# KiCad board Rogelio Pineda part 8-AMLDC-2044B.kicad_pcb (continued)
## Routing (per net, layer and track width the routed paths; a pad name or vN(x,y) marks a point on that pad's centre or on a via; arc(x,y) is an arc through that point) (continued)
C2p4: length 41.2
  Top w0.15: 230.1,381.29 230.04,381.23 v1(230.04,381.32) 230.13,381.32 230.47,382.47 230.94,384.24 231.06,384.62 UC3.13
  Bottom w0.2: v1(230.04,381.32) 229.47,381.23 229.21,381.25 ; 229.27,381.25 228.58,381.32 228.03,381.19 224.59,380.87 222.48,380.52 221.97,380.42 221.61,380.35 219.32,380.03 217.02,379.8 212.82,379.83 212.4,380.15 210.82,380.21 209.58,380.29 205.8,380.58 204.81,380.55 202.29,380.56 201.3,380.53 198.45,380.12 197.5,379.63 196.74,378.8 UC2.4
C2p5: length 390.6
  Top w0.15: v1(363.07,328.79) 363.14,330.04 362.97,332.1 362.79,334.87 362.69,336.03 362.69,337.49 362.65,341.81 362.74,343.64 362.74,347.54 362.73,348.94 362.69,353.53 362.76,354.67 362.92,358.73 363.01,360.19 363.3,363.81 363.47,365.8 363.7,369.19 363.81,369.87 364.03,372 364.2,373.14 364.32,374.45 364.73,378.26 364.96,380.85 365.01,385.3 364.95,386.45 364.87,387.21 364.49,390.59 v1(364.33,391.06) ; v1(217.43,334.88) 217.43,336.52 217.21,337.59 217.04,360.51 217.13,360.6 217.25,366.28 217.25,368.95 217.59,371.81 217.87,373.02 218.04,373.86 218.21,375.97 v1(217.15,378.49)
  Bottom w0.15: v1(364.33,391.06) 365.58,392.38 367.74,393.42 369.98,393.69 371.22,393.92 372.58,394.01 375.42,394.21 376.55,394.23 386.04,394.4 ; UC8.4 424.7,374.47 425.38,373.24 426.4,372.52 428.23,372.34 428.66,372.37 429.68,372.41 430.55,372.44 432.45,372.46 432.95,372.5 435.43,373.06 435.96,373.28 436.79,373.73 437.49,374.27 438.03,375.34 438.53,376.65 438.93,379.4 439.02,381.15 439.29,388.12 439.36,390.69 439.1,391.82 438.13,393.3 436.7,394.38 435.08,394.81 433.29,394.87 ; 386.04,394.4 386.73,394.42 387.59,394.36 387.59,394.35 ; 386.04,394.4 386.16,394.4 ; 433.29,394.87 431.03,394.87 429.52,394.93 428.36,395.01 427.71,395.03 427.11,395.04 415.4,395.28 414.31,395.32 412.07,395.31 409.92,395.11 408.29,394.52 406.53,393.79 404.82,393.35 402.17,393.35 401.57,393.48 398.6,393.75 397.3,393.86 395.43,393.91 394.05,394.07 392.98,394.19 390.87,394.32 390.02,394.35 387.59,394.35 ; 433.29,394.87 433.35,394.87 ; UF6.12 348.61,327.95 348.67,327.6 348.7,327.04 ; 387.59,394.35 387.57,392.51 UB7.4 ; v1(363.07,328.79) 362.58,328.54 361.65,328 361.25,327.87 360.63,327.57 359.15,327.08 356.83,327.11 355.88,327.09 355.56,327.04 354.04,327.04 353.43,327.02 352.26,327.04 348.7,327.04 ; 348.7,327.04 348.2,327.04 347.39,327.02 345.95,327.14 344.65,327.21 342.1,327.3 340.06,328.05 338.33,328.59 337.36,328.89 334.52,329.47 333.48,329.41 332.62,329.22 331.95,329.15 331.16,329 330.42,328.81 329.41,328.63 328.85,328.44 327.76,328.23 324.83,327.54 323.29,327.34 321.72,327.11 320.23,326.92 317.68,326.91 316.86,326.98 314.98,327.01 309.32,327.15 307.96,327.22 307.05,327.22 306.3,327.18 304.61,327.24 298.05,327.14 297.14,327.12 295.36,327.04
  Bottom w0.2: 243.27,335.57 241.26,335.93 239.86,336.16 233.47,336.19 231.83,336.12 230.11,336.13 223.14,335.99 222.22,335.95 220.34,335.59 218.91,335.32 v1(217.43,334.88) ; 243.27,335.57 243.29,335.55 ; 243.27,335.57 245.05,335.09 248.08,334.06 251.83,332.54 255.14,329.92 257.42,328.29 259.39,327.63 267.4,327.64 271.38,327.02 275.12,326.57 276.54,326.48 282.06,326.35 282.28,326.33 283.32,326.37 286.71,326.54 288.14,326.96 293.39,327.12 295.36,327.04 ; v1(217.15,378.49) 215.61,378.74 ; UC2.5 199.06,378.42 199.49,378.89 199.7,379.16 200.36,379.47 203.59,379.63 205.97,379.59 211.24,379.16 212.98,378.92 215.83,378.74
C2p6: length 8.5
  Top w0.15: C15.2 206.91,374.29 206.27,374.39 203.96,374.77 202.22,375.65 201.61,376.17 201.14,376.64 UC2.6
C2p7: length 6.2
  Bottom w0.2: R13.2 200,373.77 C15.1 202.67,374.6 203.4,375.65 203.5,375.86 203.68,376.31 UC2.7
C2p10: length 134.6
  Top w0.15: UE2.12 193.4,351.62 193.78,351.99 193.32,353.42 192.76,355.23 192.01,356.91 191.99,358.58 192.37,361.07 192.35,363.07 192.39,363.63 v1(192.39,371.44) 192.44,371.53 ; v1(215.08,369.51) 215.72,370.36 216.29,371.53 216.74,372.76 216.89,373.16 217.09,374.27 217.04,375.64 216.81,376.09 216.25,376.99 215.95,377.53 215.41,378.14 215.19,378.44 214.92,378.63 214.58,379.15 214.4,379.44 214.14,379.79 213.9,379.99 213.9,383.29 214.17,383.98 214.53,384.62 215.04,385.15 215.48,385.53 216.31,385.96 v1(217.59,386.35) 217.61,387.16 217.53,388.8 217.54,390.31 R30.1
  Bottom w0.2: UB4.2 264.08,393.56 262.4,395.23 261.83,395.3 255.23,395.36 224.94,395.37 223.54,395.23 221.7,394.62 220.79,394.15 219.98,393.63 219.23,392.83 R30.1 ; v1(192.39,371.44) 193.2,371.33 193.37,371.28 193.84,371.13 194.39,370.95 197.46,370.82 198.26,370.85 199.11,370.94 203.92,370.86 205.29,370.71 206.43,370.65 207.13,370.55 211,370.11 214.46,369.85 v1(215.08,369.51) ; v1(217.59,386.35) 217.48,386.35 216.51,386.3 215.94,386.1 214.76,385.89 211.04,385.33 209.67,385.34 207.92,386.57 207.12,387.12 206.45,387.16 206.04,387.19 205.78,387.21 205.1,386.94 204.24,386.2 203.68,385.83 UC2.10
C2p12: length 129.5
  Top w0.15: v1(221.98,289.43) 221.28,290.84 221.23,309.86 221.25,323.03 221.04,333.09 220.91,337.05 220.82,338.02 220.73,341.78 221.14,343.89 220.94,345.44 220.49,346.29 ; 220.53,346.2 219.16,349.28 218.92,350.87 218.47,354.89 218.35,356.91 218.35,357.79 218.4,363.61 218.52,364.83 218.55,366.84 218.76,368.17 218.85,370.99 219.12,372.22 219.44,377.13 218.29,382.79 218.37,384.05 219.41,386.13 v1(219.91,387.23)
  Bottom w0.2: 218.91,388.12 219.91,387.51 v1(219.91,387.23) ; UC2.12 199.66,386.61 201.29,387.33 202.94,387.29 204.5,387.57 205.76,387.99 206.31,388.22 207.01,388.24 208.25,388.13 209.7,387.47 210.65,387.3 211.77,387.27 213.81,387.76 215.75,388.33 217.88,388.57 218.96,388.11 ; UH3.1 226.09,289.68 225.14,289.62 223.83,289.51 223.23,289.43 v1(221.98,289.43)
C2p13: length 12.3
  Top w0.15: UC2.13 196.06,384.68 197.42,383.33 198.21,383.01 199.05,382.94 200.12,382.81 202.08,382.85 204.42,382.92 205.1,383.15 205.82,383.92 UC2.9
C2p14: length 6.2
  Top w0.15: C29.2 196.15,388.88 194.55,387.58 194.09,387.06 193.52,386.11 UC2.14
C3p5: length 335.3
  Top w0.15: 190.12,119.11 v1(190.12,119.21) 190.12,119.57 189.77,119.91 189.55,121.19 189.19,122.82 189.1,124.01 189.05,124.38 188.81,126.58 US2.1 US2.2 ; v1(218.83,343.25) 219.17,341.45 219.6,338.54 219.94,315.43 219.88,312.89 219.91,310.72 219.64,304.74 219.53,303.53 219.16,299.72 219.02,298.73 218.83,296.37 v1(218.87,296.33) 219.38,294.94 219.72,292.96 219.67,279.69 219.3,272.94 218.91,266.73 218.86,265.84 218.4,256.44 218.07,252.69 217.44,243.43 216.95,238.17 216.49,231.6 215.92,228.33 215.04,224.5 214.81,222.57 214.91,208.33 214.95,207.31 215.01,203.9 214.87,202.18 215.05,199.58 215.31,196.27 215.51,194.46 215.5,191.72 ; UG3.2 231.35,306.38 231.6,306.13 231.55,306.09 UH3.13 ; 217.92,125.2 217.84,125.29 v1(217.84,125.4) 217.72,125.4 217.36,125.76 217.48,128.43 216.82,139.56 216.75,142.43 216.64,145.09 215.58,157.23 215.39,159.15 215.23,162.42 214.57,168.86 214.37,173.82 214.44,175.65 214.49,177.58 214.77,183.42 214.92,186.19 215.53,191.98 ; UC3.5 239.21,377.48 239.68,376.59 240.1,374.36 240.19,372.38 240.19,369.8 240.21,369.77 240,368.47 238.51,366.54 236.14,365.51 235.21,364.44 235,355.99 234.67,354.69 234.35,353.13 234.18,352.22 233.99,351.57 UE3.12
  Bottom w0.15: v1(217.84,125.4) 216.9,125.4 215.85,124.54 215.05,123.92 212.6,122.23 210.78,121.26 208.82,120.24 206.23,119.62 205.11,119.4 203.07,119.12 199.6,119.15 198.23,119.12 190.99,119.26 ; v1(218.87,296.33) 218.87,296.35 219.65,297.33 220.31,298.19 220.77,298.65 221.15,298.89 221.19,298.93 222,299.5 223.24,299.8 225.55,299.92 227.64,300 228.55,300.09 229.24,300.08 230.4,299.74 230.93,299.3 231.36,298.61 231.55,298.37 UH3.13 ; v1(218.83,343.25) 219.84,343.81 220.11,344.07 222.07,345.11 224.58,345.98 226.6,346.48 230.48,347.21 232.03,348.01 232.85,348.79 233.44,349.28 UE3.12 ; v1(190.12,119.21) 190.24,119.21 190.97,119.26
C3p9: length 13.8
  Top w0.15: UC3.2 231.9,380.2 232.21,381.01 233.39,382.32 235.66,382.94 238.92,383.56 240.29,384.24 240.94,385.17 UC3.9
C4p1: length 501.5
  Top w0.15: UC4.1 261.53,376.51 262.39,377.45 262.67,379.43 262.89,380.1 262.91,381.51 262.98,382.27 v1(262.81,387.08) 262.81,387.14 262.85,387.18 ; v1(182.91,335.42) 182.38,336.37 182.29,338.14 182.35,339.7 182.32,341 182.03,349.96 181.97,352.79 181.79,359.52 181.98,365.11 182.21,365.48 182.23,365.71 v1(182.27,366.28) ; 321.95,88.8 321.91,88.76 v1(321.91,88.85) 322,88.85 322.04,88.89 322.27,101.52 322.29,103.56 322.4,106.23 322.65,117.9 322.73,117.98 322.73,119.77 322.87,132.44 322.79,138.01 322.74,143.12 323.11,144.45 323.19,145.27 323.59,147.31 324.24,150.32 324.19,153.55 324.18,154.41 324.66,158.92 325.41,161.41 326.18,166.29 326.6,167.86 327.14,171.34 327.49,173.96 327.57,187.53 327.57,188.14 327.56,189.11 327.7,199.08 327.65,200.47 327.72,210.63 327.64,217.87 327.72,221.83 327.65,222.61 327.65,232.07 327.69,234.98 327.78,239.91 327.62,245.2 327.65,249.91 327.73,253.04 327.43,257.16 325.94,277.03 325.68,282.77 325.64,283.24 325.41,289.69 325.28,292.3 324.63,312.7 323.97,324.25 323.4,339.75 323.2,348.49 323.13,387.53 322.82,389.86 v1(322.65,391.33)
  Bottom w0.15: UB5.6 312.63,391.29 313.05,390.58 313.24,390.3 313.89,389.89 314.79,389.53 315.66,389.54 316.23,389.63 317.16,389.8 319.42,390.29 319.93,390.46 320.8,390.73 321.56,390.93 322.03,391.04 v1(322.65,391.33)
  Bottom w0.2: v1(182.91,335.42) 183.43,335.1 184.7,334.58 186.21,334.31 186.98,334.2 188.51,334.23 189.58,333.9 190.29,333.44 190.98,332.74 UF2.13 ; 305.66,389.77 305.63,389.8 305.27,389.8 ; 217.84,369.12 219.89,371.95 221.46,373.49 222.89,374.25 227.93,374.85 229.41,375 231.55,375.12 248.33,375.18 249.39,375.22 250.82,375.3 256.17,375.68 257.35,375.86 260.51,376.32 UC4.1 ; 305.27,389.8 307.01,389.89 309.61,390.39 310.55,390.67 310.64,390.75 311.47,391.12 UB5.6 ; 305.27,389.8 303.55,389.56 302.31,389.37 299.44,389.08 298.29,388.64 296.29,388.21 294.7,387.63 293.33,387.23 291.82,387.24 285.68,387.36 264.03,387.36 263.16,387.08 v1(262.81,387.08) ; v1(182.27,366.28) 183.42,366.09 185.06,365.82 186.13,365.67 188.65,365.43 192.81,365.58 197.05,366.4 200.2,366.45 211.03,366.6 213.2,366.82 215.08,367.16 217.23,368.27 217.89,369.2
C4p3: length 19.4
  Top w0.15: UD4.2 264.47,361.47 264.89,362.57 265.22,364.98 265.35,365.72 265.47,368.15 265.39,368.23 265.39,370.58 265.35,371.21 265.39,373.21 265.98,374.3 UC4.3
  Bottom w0.15: UC4.3 UC4.4
C4p6: length 241
  Top w0.15: 286.75,288 286.31,277.31 286.24,275.66 286.43,273.37 286.76,263.36 287.36,256.67 287.62,254.45 v1(287.75,253.81) ; UL6.2 345.91,221.64 346.47,223.27 346.75,223.91 346.99,224.87 347.17,225.29 347.44,226.04 347.82,226.85 347.84,227.93 UL6.12 348.06,229.41 348.23,230.07 348.25,230.76 348.43,231.57 348.48,232.51 348.62,233.82 348.65,234.13 348.69,234.59 348.84,235.57 348.97,236.46 349.08,237.3 349.19,237.66 349.3,238.24 349.33,239.19 349.44,240.27 349.35,240.99 349.52,241.16 ; 349.52,241.16 349.57,241.21 v1(349.52,241.21) 349.52,241.16 ; 354.5,224.46 353.99,224.64 348.37,224.82 347.91,224.78 346.95,224.73 ; 354.5,224.46 354.35,224.06 354.16,223.49 353.84,222.84 353.61,222.04 353.41,221.83 353.26,221.36 UL6.5 ; 354.5,224.46 354.7,225.03 354.91,225.65 354.96,225.97 355.09,226.36 355.36,227 355.45,227.33 UL6.9 ; v1(287.7,373.62) 286.38,370.65 285.79,369.07 285.1,366.66 284.87,354.84 284.82,353.5 284.82,344.19 284.93,343.89 285.14,341.76 286.43,336.44 287.16,333.02 ; 286.74,287.81 287.59,290.07 287.97,291.65 288.38,318.95 288.53,322.61 288.37,328.05 288.16,328.9 287.92,329.49 287.96,329.49 287.5,331.48 287.17,332.92
  Bottom w0.15: v1(349.52,241.21) 349.52,241.08 348.22,239.94 347.43,239.66 345.83,239.79 344.85,239.9 344.51,240.1 343.28,240.47 342.36,240.74 342,240.79 340.76,240.89 339.76,240.86 339.12,240.76 338.16,240.53 336.4,240.35 334.78,240.47 333.36,240.79 331.31,241.66 330.2,242.14 328.26,243.15 327.11,243.72 325.48,244.76 324.48,245.35 322.71,246.28 321.12,247.05 319.45,248.04 318.69,248.7 317.87,249.42 317.25,250.31 316.73,251.15 316.12,251.84 315.92,252.21 315.25,253.02 314.64,253.67 313.64,254.37 311.87,254.97 300.76,254.97 300.72,254.93 298.64,254.93 297.37,254.9 295.36,254.66 ; 295.36,254.66 294.52,254.55 292.06,254.39 290.89,254.32 290.34,254.26 289.79,254.19 288.89,254.02 288.33,253.88 v1(287.75,253.81) ; 295.36,254.66 295.66,254.7 ; v1(287.7,373.62) 287.63,373.62 287.18,374.07 286.84,374.18 286.08,374.14 282.75,374.18 279.14,374.02 277.42,374.05 275.59,374.05 274.64,374.71 UC4.6
C4p8: length 31.2
  Bottom w0.15: UC4.8 276.93,383.69 278.11,383.96 280.25,383.86 281.88,383.8 283.51,383.81 287.12,383.49 289.3,383.21 292.21,382.68 293.94,382.28 295.25,382.05 296.3,381.93 297.35,381.89 298.4,381.84 301.33,381.84 302.08,381.94 303.09,382.18 UC5.12 304.76,384.15 304.76,384.19 305.47,384.19 UC5.11
C4p11: length 4.6
  Bottom w0.15: UC4.11 269.15,384.29 269.48,384.63 269.59,384.83 270.65,384.84 271.71,384.89 UC4.10
C4p13: length 365.6
  Top w0.15: UC4.13 264.15,382.8 264.17,379.8 UC4.2 ; v1(325.08,379.84) 325.08,377.59 325.13,377.55 324.92,353.63 324.9,350.84 324.83,342.97 324.77,338.71 325.04,328.82 325.18,326.62 325.36,324.82 325.67,316 325.93,310.38 326.43,296.76 326.56,295.31 326.75,290.89 326.93,288.4 327.34,279.21 327.61,275.46 327.83,270 327.93,268.82 328.2,263.97 328.58,256.01 328.81,253.12 328.84,244.1 328.77,241.55 328.77,232.8 328.69,223.91 328.69,203.85 328.64,203.81 328.74,187.88 328.73,186.65 328.63,181.67 328.77,174.69 328.36,171.65 327.7,168.28 326.93,164.14 326.37,162.28 325.99,159.57 325.49,157.71 325.31,154.77 325.13,153.19 325.08,151 325.18,149.71 324.95,148.18 324.43,145.98 324.58,137.42 324.31,119.77 324.2,101.83 324.11,99.44 324.17,98.09 324.13,85.99 324.13,85.57 v1(324.31,85.39) 324.43,85.27 ; 324.31,119.94 324.44,119.81
  Bottom w0.15: 293.08,380.69 289.43,381.1 274.07,381.27 270.73,381.39 268.95,381.9 267.83,382.86 UC4.12 265.8,384.49 264.87,384.49 UC4.13 ; 293.08,380.69 293.15,380.68 ; 293.08,380.69 296.55,380.52 297.52,380.26 302.92,380.26 322.9,380.03 323.94,380.07 v1(325.08,379.84)
C5p4: length 39.4
  Top w0.15: UD5.10 313.5,369.19 313.02,370.73 310.61,372.24 309.78,372.7 308.26,373.43 307.86,373.81 307.81,373.81 306.87,374.75 306.87,375.16 UC5.4 306.4,376.88 306.42,376.9 305.96,378.19 305.61,379.09 305.16,379.64 305.13,379.7 304.57,379.96 303.68,379.92 302.7,379.21 302.69,374.12 302.83,371.03 302.66,369.7 302.52,365.35 302.32,364.58 302.14,363.26 302,362.89 301.82,361.82 301.55,360.34 UD5.2
C6p9: length 39.5
  Top w0.15: UC7.3 385.61,377.4 385.71,381.97 385.71,382.96 UC7.12
  Bottom w0.15: UC6.9 356.9,382.87 357.74,381.97 358.08,381.47 358.61,381.14 360.05,380.33 361.15,379.87 362.94,379.43 363.81,379.43 364.59,379.54 365.88,379.79 366.4,379.95 367.22,380.15 368.02,380.3 368.82,380.36 375.35,380.22 379.23,380.22 379.25,380.2 380.4,380.2 381.25,380.28 383.02,380.87 384.26,381.78 384.35,381.84 384.45,381.94 384.75,382.23 UC7.12
C6p12: length 207.5
  Top w0.15: v1(372.38,249.78) 372.62,250.02 372.62,260.75 372.6,261.86 372.83,265.58 373.34,266.77 373.95,267.94 374.13,268.28 374.69,270.18 374.67,271.86 374.75,272.98 374.82,276.36 374.78,276.89 374.79,277.34 374.9,297.2 374.77,297.93 374.67,298.32 374.54,298.91 374.26,299.85 374.17,300 373.89,300.6 373.74,301.02 373.25,301.99 372.88,302.98 372.36,304.44 372.4,305.45 372.48,305.72 372.67,307.15 373.12,308.35 373.5,310.31 373.41,311.93 373.09,314.29 372.71,315.22 372.43,317.13 372.42,317.86 372.55,318.62 372.95,319.4 373.79,321.21 373.91,323.09 373.89,323.11 373.96,324.1 373.98,327.1 374.01,327.82 374,328.5 374.26,341.67 374.05,343.34 373.78,346.71 373.07,349.32 373.13,351.06 373.22,351.64 373.57,352.82 374.23,354.98 374.18,363.72 374.08,365.12 373.9,366.29 373.64,366.91 373.06,368.01 372.78,368.5 372.5,369.36 372.32,370.08 372.32,371.23 372.6,372.82 372.64,373.96 372.78,374.67 372.84,376.18 372.81,377.59 372.96,379.9 372.93,380.54 372.86,383.17 372.99,383.31 372.99,388.42 v1(372.92,388.5) ; UL7.12 384.75,229.29 384.72,229.95 UK7.3
  Bottom w0.15: v1(372.92,388.5) 372.1,388.75 370.8,388.43 367.05,387.89 361.5,387.69 354.23,387.84 352.82,387.86 350.49,387.75 349.62,387.29 348.86,384.89 UC6.12 ; 376.13,250.57 375.4,250.48 373.82,250.18 373.09,249.92 v1(372.38,249.78) ; 376.13,250.57 378.39,250.76 379.81,250.77 382.49,251.09 383.26,251.8 383.71,252.15 UK7.3
C6p13: length 128.7
  Top w0.15: v1(406.78,343.86) 407.39,345.09 407.65,346.1 407.88,347.27 407.86,348.07 407.88,349.18 407.85,350.48 407.9,351.05 407.73,353.59 407.38,355.03 407.19,356.61 407.01,357.67 406.85,361.38 407.02,362.94 407.23,364.01 407.36,365.04 407.49,366.15 407.6,370.9 407.55,372.43 407.64,373.94 407.68,377.09 407.68,378.69 407.73,381.93 407.73,383.13 407.7,384.47 407.67,385.07 407.55,388.13 407.39,389.11 407.3,389.32 v1(407.02,389.73)
  Bottom w0.15: UE8.3 421.72,341.15 421.42,341.58 421.08,342.04 420.4,342.65 419.46,343.03 418.75,343.03 418.11,343.08 417.38,343.07 416.73,343.1 415.02,343.15 414.1,343.17 412.02,343.46 410.67,343.63 408.23,343.73 v1(406.78,343.86) ; v1(407.02,389.73) 406.62,389.4 406.36,389.23 405.64,389.14 405.4,389.13 405.02,389.07 403.94,388.94 401.01,388.95 399.17,388.87 397.57,388.74 396.5,388.62 392.03,388.36 390.35,388.33 383.18,388.39 381.61,388.45 381.43,388.45 380.2,388.5 378.17,388.76 376.37,389.7 375.63,390.12 374.88,390.47 374.24,390.78 373.3,390.94 371.97,390.78 368.99,389.92 366.3,389.19 349.98,388.89 348.88,388.37 348.54,388.24 348.12,387.88 347.57,387.23 347.01,385.85 346.83,385.61 346.63,384.87 346.38,383.71 UC6.13
C7p2: length 294.3
  Top w0.15: 371.28,345.83 371.11,344.65 371.01,343.64 371.01,342.97 370.91,340.49 370.78,339.04 370.83,337.68 370.78,337.03 370.78,336.74 370.78,336.27 370.74,335.52 370.73,334.76 370.98,332.59 371.23,330.79 371.28,330.01 371.33,329.11 371.18,327.47 371,326.86 370.79,326.09 370,324.38 369.77,323.39 369.64,322.64 369.47,320.33 369.39,318.15 369.58,315.99 369.88,315.06 370.05,314.09 370.35,313.07 370.46,312.41 370.54,311.95 370.48,310.94 370.49,310.25 370.14,308.71 369.98,307.78 369.81,307.27 369.6,306.46 369.66,306.39 369.66,305.64 369.59,304.16 369.79,302.85 370.08,302.08 370.15,301.62 370.55,300.74 370.83,299.67 370.97,299.16 371.09,298.74 371.3,298.21 371.32,297.76 371.54,296.54 371.74,281.8 371.6,279.98 371.31,279.28 371.18,278.81 370.89,278.13 370.73,277.51 370.57,276.81 370.8,276.11 371.13,275.23 371.56,274.56 371.95,273.68 372.46,272.01 372.4,269.97 371.73,267.88 371.32,266.68 370.88,265.51 370.79,260.71 370.88,256.2 370.84,255.48 370.78,254.92 370.54,253.62 370.45,252.86 370.32,251.4 370.28,250.93 370.34,249.26 371.22,247.69 371.53,247.01 372.27,245.43 372.28,244.52 372.4,242.59 372.33,237.64 372.26,216.3 372.05,214.52 371.88,212.37 371.35,210.42 371.1,207.88 371.04,202.27 370.84,196.93 370.8,195.96 370.73,194.78 370.8,193.39 371.03,192.1 371.2,191.16 371.63,190.03 372.18,188.3 372.9,186.43 372.64,170.74 372.5,169.66 372.32,168.03 372.17,166.32 372,164.98 371.77,156.19 371.68,142.57 371.74,118.26 372.01,117.98 371.98,108.81 371.75,105.38 371.61,104.18 371.26,96.52 371.26,96.52 v1(371.22,96.52) 371.22,96.48 371.19,96.45 ; 371.24,345.26 371.41,346.96 371.63,348.26 372.07,350.13 372.05,350.15 372.2,350.73 372.34,351.73 372.61,352.69 372.97,354.22 373.22,355.87 373.29,361.22 373.25,361.65 373.18,363.66 372.99,365.11 372.62,366.19 372.23,367 371.79,368.25 371.29,369.69 371.25,370.13 370.87,372.29 v1(370.76,373.24)
  Bottom w0.15: v1(370.76,373.24) 371.31,373.52 372.07,373.77 376.33,373.88 376.64,373.86 ; 376.64,373.86 381.18,373.97 381.87,374.08 382.2,374.25 382.69,374.49 382.77,374.64 UC7.2 ; 376.64,373.86 376.82,373.85
C7p11: length 171.3
  Top w0.15: v1(409.32,356.65) 409.58,356.09 409.76,355.53 409.88,354.26 410,352.94 409.93,345.69 409.93,344.85 409.5,343.45 408.92,342.4 408.19,341.61 408.07,341.24 407.58,339.7 407.73,337.25 407.83,336.61 407.88,334.14 407.87,334.13 407.87,328.05 407.98,326.27 407.98,321.71 408.04,321.44 408.15,320.2 408.22,319.65 408.3,318.45 408.66,316.07 408.77,312.54 408.79,310.46 408.49,307.55 408.32,305.86 408.15,303.76 408.04,302.38 407.9,301.12 407.74,299.51 407.65,297.96 407.48,295.43 407.41,294.07 407.3,288.7 407.25,288.65 407.25,285.6 407.3,285.55 407.23,282.81 407.15,281.28 407.09,278.3 407.07,276.86 407.09,276.36 407.07,273.26 407.29,268.01 407.37,266.82 407.41,265.26 407.53,264.37 407.57,263.2 407.57,262.31 407.75,260.97 v1(407.63,259.98) ; UC7.11 388.48,382.45 389.2,381.42 390.08,380.31 390.27,379.92 390.99,378.85 391.59,377.23 391.68,376.52 391.62,373.91 391.5,373.24 391.32,372.33 391.06,371.73 390.49,370.76 389.29,369.19 389.08,367.53 389.08,366.9 389.08,365.52 388.69,364.52 387.7,362.83 387.23,362.21 386.96,361.73 386.43,361.04 385.88,360.36 UD7.3
  Bottom w0.15: UK8.10 UK8.11 UK8.12 421.4,260.12 421.08,259.74 ; 421.08,259.74 421.2,259.86 ; 421.08,259.74 420.59,259.4 420.1,259.01 419.35,258.81 418.51,258.64 418.5,258.65 417.49,258.63 416.48,258.79 414.15,259.35 412.16,260.02 410.59,260.09 409.71,259.94 409.03,259.97 408.39,259.98 408.06,260 v1(407.63,259.98) ; v1(409.32,356.65) 409.2,356.77 408.11,356.59 388.39,356.42 386.75,356.5 385.69,357.03 385.25,357.44 384.92,358.31 UD7.3
C8p8: length 19.6
  Top w0.15: UC8.8 430.73,382.37 430.37,382.02 429.72,381.54 428.32,380.36 427.67,380.07 426.62,379.41 426.3,379.08 426,378.72 425.53,377.91 425.22,377.44 425.07,373.5 424.83,372.51 424.68,371.61 424.36,370.14 424.24,369.44 UD8.11
C8p10: length 20.3
  Top w0.25: UB8.11 426.11,397.38 427.41,395.8 427.93,392.98 428.13,391.95 427.78,388.93 427.48,387.48 427.28,386.45 426.84,382.95
  Bottom w0.2: UC8.10 UC8.9
C47p1: length 7.9
  Bottom w0.15: C47.1 R43.2 401.55,267.5 CR2.2
CLR: length 71.3
  Top w0.15: v1(82.28,315.8) 83.43,318.68 84.7,320.88 85.82,323.83 87.25,326.37 88.05,328.12 89.85,330.82 90.52,331.39 90.94,331.74 92.27,333.27 92.99,334.72 93.07,337.16 92.77,338.79 v1(92.28,340.91)
  Top w0.2: UD0.3 114.66,360.51 114.15,359.69 113.46,359.06 112.74,358.54 111.37,357.82 110.49,357.91 R71.2
  Bottom w0.15: R71.2 108.87,356.86 105.93,356.84 103.2,356 101.87,355.45 99.71,354.57 97.17,353.2 95.08,351.19 94.53,349.77 94.32,348.52 94.38,346.95 94.54,345.91 94.59,344.94 94.51,342.93 93.01,340.91 v1(92.28,340.91) ; J1.50 79.95,314.89 80.4,315.89 80.92,315.94 81.58,315.93 v1(82.28,315.8)
D0p2: length 24.4
  Top w0.2: UD0.2 112.38,362.95 112.1,364.37 111.58,367.45 111.28,369.4 111.25,371.24 111.53,371.98 v1(112.39,373.78) 112.48,373.82
  Bottom w0.15: v1(112.39,373.78) 112.24,374.16 111.93,374.78 111.53,375.23 110.85,375.95 109.96,376.25 108.93,376.28 108.67,376.27 108.34,375.93 R46.2 106.18,376.14 C1.1 106.18,376.33 106.2,376.31 107.23,376.23
D0p4: length 12
  Bottom w0.15: UD0.4 118.08,360.9 118.67,359.68 119.34,358.63 120.84,357.91 122.86,357.55 R71.1 ; R71.1 124.1,356.31 ; R71.1 C58.1
D0p6: length 173.1
  Top w0.15: v1(175.21,354.86) 174.88,353.91 174.85,353.38 174.75,350.13 174.74,343.17 174.71,341.06 174.85,334.87 174.89,331.99 174.76,328.21 174.71,327.38 174.62,326.51 174.4,325.26 174.06,324.58 174.88,322.57 174.74,321.97 174.88,319.13 174.81,318.44 174.58,315.99 174.34,314.77 174.22,313.65 174.09,313 174.16,310.32 175.39,305.74 175.32,301.53 175.03,296.87 175.05,295.08 175.7,293.54 176.04,292.35 177.11,290.32 177.14,282.38 177.11,282.34 177.11,274.57 177.07,274.54 177.14,274.23 177.21,273.13 177.21,262.01 v1(177.31,261.91)
  Bottom w0.15: UD0.6 123.15,360.56 124.74,359.24 129.6,359.04 133.48,358.89 136.67,358.59 139.58,358 145.67,356.36 153.97,357.75 158.54,357.56 162.52,356.4 169.51,356.25 v1(175.21,354.86) ; v1(177.31,261.91) 183.73,262.9 187.92,263.92 191.22,264.42 192.62,264.55 196.68,264.55 197.57,264.3 198.72,263.28 198.72,263.03 198.79,262.95 UK2.10
D0p8: length 568.2
  Top w0.15: v1(285.47,253.41) 285.54,253.41 288.37,250.96 289.08,250.28 290.07,248.75 289.85,245.12 289.63,244.1 289.32,242.62 289,240.63 288.56,236.56 288.47,235.26 288.05,231.74 287.74,229.28 287.66,217.18 287.59,214.14 287.83,183.47 287.59,175.49 287.43,171.11 ; 215.69,280.35 215.58,282 214.73,287.39 214.03,290.69 213.58,293.37 213.58,294.54 213.89,329.95 213.94,331.75 213.91,334.02 213.87,335.76 214.06,347.86 214.1,348.57 214.24,349.64 214.19,355.96 214.12,357.24 213.84,360.45 213.85,361.19 213.62,369.75 213.82,370.46 214.48,372.51 214.88,373.46 v1(215.36,374.74) ; 215.68,280.58 215.91,277.06 215.94,275.63 215.88,263.02 ; v1(337.09,214.45) 336.67,213.41 336.34,212.67 335.81,211.72 334.59,209.81 334.32,209.25 334.09,208.27 334.33,206.53 334.66,205.58 334.86,204.97 335.28,203.52 335.43,202.73 335.63,201.91 335.68,198.44 335.95,196.73 336.26,195.14 336.61,193.3 337.06,190.73 337.4,189.33 337.85,185.01 337.82,182.97 337.99,182.26 337.93,182.21 338.01,180.64 338.25,176.34 338.33,174.33 338.31,173.03 338.38,171.73 338.43,169.87 338.45,167.7 338.25,164.47 337.59,163.12 336.97,161.18 v1(336.76,160.96) ; v1(287.53,159.94) 287.26,160.21 287.44,172.18 ; 215.89,263.2 215.48,255.51 215.45,254.71 215.23,247.88 215.19,246.64 214.96,243.13 214.89,241.87 214.55,237.44 214.42,236.01 214.12,232.53 v1(213.84,231.17)
  Bottom w0.15: UM6.9 355.68,212.36 355.36,213.3 355.05,213.57 355.02,213.57 353.78,214.35 352.39,214.63 351.39,214.62 349.33,214.57 348.42,214.56 348.14,214.57 337.9,214.57 337.48,214.58 v1(337.09,214.45) ; v1(336.76,160.96) 336,160.87 335.78,160.29 335.71,159.19 335.89,158.24 335.94,157.81 336.08,157.29 336.34,156.32 336.34,155.72 335.84,154.94 335.8,154.91 335.66,154.64 335.32,154.34 335.2,154.21 334.8,154.06 334.86,154.07 334.15,153.94 333.46,154.2 333.1,154.62 332.74,155.06 332.64,155.36 332.18,155.96 331.84,156.5 330.36,157.98 328.02,158.62 327.24,158.8 325.85,158.96 324.19,159.09 323.45,159.2 323.2,159.2 322.26,159.32 321.08,159.34 319.74,159.44 317.78,159.62 313.97,159.64 312.38,159.7 294.79,159.71 294.35,159.76
  Bottom w0.2: v1(215.36,374.74) 214.55,374.2 213.84,373.92 211.42,372.56 208.24,372.11 208.22,372.13 199.1,372.03 195.37,372.71 190.65,373.85 186.98,375.74 185.48,376.38 184.45,376.93 178.48,376.64 173.67,376.64 148.82,376.36 148.29,376.24 147.2,375.88 145.33,374.68 143.61,374 142.47,373.66 140.82,373.23 136.28,372.15 133.78,371.9 130.97,371.33 128.59,371.21 127.73,371.08 127.28,371.08 125.98,371.12 125.27,370.83 UD0.8 ; v1(213.84,231.17) 202.67,231.06 201.78,230.62 201.48,230.39 201.36,230.01 201.25,229.54 UL2.9 ; UP4.7 276.91,161.2 277.6,160.15 279,159.51 281.39,159.99 283.4,160.34 285.97,160.26 287.53,160.12 v1(287.53,159.94) 288.76,159.9 291.65,159.8 292.51,159.82 294.49,159.76 ; v1(215.28,250.56) 216.04,250.73 216.82,250.87 217.55,251.02 221.28,251.39 222.42,251.47 235.69,251.47 237.57,251.46 241.52,251.3 247.24,251.44 248.94,251.81 252.06,253.15 254.79,254.44 257.21,255.59 259.18,256.48 262.26,257.76 264.84,258.6 267.82,258.73 271.37,258.22 276.29,256.87 278.76,255.85 281.32,255.1 283.45,254.4 284.54,254.06 285.47,253.63 v1(285.47,253.41)
D0p9: length 210.3
  Top w0.15: v1(179.71,296.25) 179.86,296.41 179.86,298.47 180.19,299.83 180.3,308.5 180.21,308.59 180.28,308.66 180.44,312.69 180.31,315.2 180.16,318.07 179.42,322.05 179.64,326.85 179.89,327.96 180.02,329.77 180.34,332.87 180.17,336.44 180.21,336.91 180.14,339.12 179.89,342.64 179.52,347.3 179.12,351.34 178.97,352.65 178.97,355.65 179.1,356.57 179.32,357.64 179.59,359.72 179.79,360.71 180.07,362.37 180.12,363.21 180.59,367.63 180.69,368.99 180.88,370.15 v1(181.19,371.34)
  Top w0.25: UD0.13 113.23,369.01 113.83,368 114.98,367.5 121.73,367.35 ; 121.73,367.35 UD0.9 ; 121.73,367.35 121.28,365.95 120.53,363.6 120.39,362.63 UD0.5 121.88,354.15 122.43,352.9 122.58,352.35 122.64,352.29 122.64,350.67 122.03,349.6 121.43,348.8 120.68,348.4 119.93,348.25 119.18,348.2 118.03,348.15 115.88,348.2 113.93,348.55 112.48,350 112.48,350.67
  Bottom w0.2: UD0.9 123.11,369.18 123.83,368.73 124.33,368.54 125.49,368.14 126.22,368.28 129.13,369.26 131.42,370.06 136.57,371.06 139.14,371.45 142.82,372.7 144.39,373.39 145.53,374.02 145.94,374.17 146.52,374.31 147.14,374.9 147.34,375.31 151.28,375.44 151.84,375.43 156.65,375.3 157.61,375.31 158.29,375.25 170.97,375.53 173.42,375.35 174.7,375.33 176.31,374.62 178.27,373.52 179.26,372.93 179.89,372.46 180.71,371.99 v1(181.19,371.34) 182.35,370.54 184.33,369.3 185.55,369.26 186.35,369.81 187.78,370.91 188.63,371.33 189.45,371.16 190.35,370.74 191.4,369.87 UD2.13 ; v1(179.71,296.25) 178.93,296.4 175.02,296.63 174.08,296.71 173.44,296.71 171.63,296.66 169.12,296.96 167.31,297.15 166.34,297.27 164.16,297.31 163.61,297.61 UH1.8
D0p10: length 12.3
  Top w0.25: R83.2 122.19,373.52 122.14,373.57 121.63,373.5 120.28,372.1 UD0.10
  Bottom w0.2: 123.83,373.8 125.68,373.8 125.73,373.85 124.37,373.85 R83.2 125.82,373.52 C20.2
D1p2: length 18.6
  Top w0.15: R9.2 162.36,358.53 161.19,357.36 160.58,356.5 C43.1
  Bottom w0.2: UD1.2 150.81,360.98 152.67,359.66 154.64,358.93 156.11,358.6 157.42,358.59 R9.2
D1p3: length 40.1
  Top w0.15: UF1.4 155.23,325.67 154.9,326.23 154.84,326.33 154.44,326.69 153.52,327.61 152.53,328.96 151.78,330.54 151.84,332.35 151.94,332.45 151.61,338.66 151.18,339.55 150.89,342.84 UE1.2 151.38,345.84 151.91,348.6 151.88,353.01 151.84,356 151.94,358.66 152.92,360.99 UD1.3
D1p10: length 6.3
  Bottom w0.2: R11.2 160.59,373.48 159.6,372.92 159.22,372.27 158.51,371.2 UD1.10
D1p13: length 76.8
  Top w0.15: 155.71,307.73 158.32,311.12 159.34,313.24 159.57,317.21 158.35,319.59 157.96,320.42 157.58,321.16 157.19,322.7 156.92,323.48 156.92,327.58 156.91,327.58 156.92,328 156.92,334.83 157,334.91 156.49,337.76 156.49,339.68 157.29,341.8 UE1.5 157.55,345.33 157.06,346.86 156.87,352.47 155.69,354.33 155.46,356.35 155.72,357.89 156.55,359.33 158,360.78 UD1.5 158.6,363.82 159.41,365.49 v1(159.62,366.42) UD1.9
  Bottom w0.2: v1(159.62,366.42) 158.68,366.37 158.07,366.33 156.9,366.33 154.79,366.4 154.39,366.43 153.37,366.7 152.88,367.12 152.14,367.77 151.4,368.63 UD1.13
D2p2: length 10.8
  Top w0.15: C44.1 190.07,359.3 191.07,360.3 UD2.2
  Bottom w0.15: C44.1 187.15,358.54 186.6,358.91 185.66,359.55 184.9,360.01 R14.2
D2p5: length 92.6
  Top w0.15: 195.03,339.57 193.79,338.25 192.53,336.28 192.22,328.8 192.19,328.06 192.19,324.93 192.35,324.49 192.74,321.57 193.16,320.47 194.69,318.26 196.15,316.71 UG2.11 ; 195.03,339.57 197.23,341.85 197.44,344.43 197.44,350.13 197.39,350.76 197.41,356.92 198.18,358.43 ; 195.03,339.57 195,339.43 ; 198.07,358.4 198.52,359.98 UD2.5
  Bottom w0.15: UD3.5 238.84,363.55 238.47,363.91 237.01,364.54 235.33,364.61 232.26,364.59 231.25,364.61 229.11,364.46 225.44,363.71 221.3,362.66 218.54,362.39 217.92,362.31 215.39,362.2 212.58,362.15 206.29,363.24 202.57,363.32 201.33,363.29 199.8,362.96 199.02,362.28 UD2.5
D2p12: length 627.7
  Top w0.15: 256.65,89.45 v1(256.7,89.47) 256.91,90.8 257.17,92.01 257.21,93.67 257.22,97.51 257,97.72 257,116.5 257.12,117.61 256.84,150.55 256.85,153.57 256.74,155.74 v1(256.6,157.02) 257.13,161.43 256.67,221.62 256.59,227.41 v1(256.41,228.79) ; v1(179.27,221.32) 179.06,223.06 179.2,223.91 ; v1(134.4,90) 134.5,93.81 134.49,94.43 134.72,96.07 134.87,99.37 134.91,100.98 134.97,102.63 135.07,104.36 135.07,109.63 135.49,111.26 135.75,113.97 135.92,114.91 136.09,116.33 136.42,118.08 136.45,123.1 136.21,124.39 136.07,126.62 136.03,126.97 135.41,132.89 135.17,135.06 135.1,136.34 134.96,136.99 134.77,140.78 134.84,142.16 134.79,144.19 v1(134.65,153.67) 133.94,154.38 133.71,155.29 133.17,157.37 133.04,169.32 133.17,170.89 133.91,174.66 134.26,175.83 135.21,179.98 135.43,181.5 135.83,185.85 136.01,187.02 136.28,191.92 136.36,193.27 136.41,195.42 136.45,196.99 136.63,199.85 136.88,201.01 137.32,206.97 137.43,208.16 137.65,210.31 137.78,211.17 137.87,214.54 137.98,216.29 138.16,218.82 138.23,219.44 v1(138.13,221.13) ; v1(178.86,368.84) 178.72,367.51 178.53,363.27 178.47,362.39 178.09,359.91 177.98,358.44 177.76,356.15 177.8,354.05 178.07,351.01 178.4,348.57 178.43,348.23 178.62,346.04 178.78,343.23 179.02,340.64 179.37,336.01 179.33,334.91 179.25,332.55 179.04,330.81 178.72,328.08 178.55,325.98 178.47,325.91 178.47,321.88 178.49,321.31 178.7,318.83 178.88,317.59 179.04,307.73 178.94,307.16 178.84,303.28 178.74,302.47 178.21,297.15 178.08,295.44 178.57,294.04 179.35,292.27 180.12,289.08 180.3,280.12 ; 180.32,280.44 180.32,279.85 180.36,272.6 180.26,267.94 180.08,253.63 180.11,251.94 179.94,242.84 180.06,240.95 179.98,232.86 179.77,229.16 179.35,226.45 179.18,223.83
  Bottom w0.15: v1(256.41,228.79) 257.05,228.87 257.52,228.85 260.94,228.85 261.03,228.94 261.37,228.6 UL4.1 ; 255.58,157.48 254.61,157.32 253.24,157.1 251.9,156.83 249.3,156.61 247.87,156.58 237.28,156.28 234.82,156.21 224.18,155.97 220.46,155.44 212.79,154.58 211.96,154.58 210.3,154.55 208.14,154.46 206.12,154.96 203.7,156.11 201.38,156.92 199.07,157.08 195.45,157.21 188.34,157.31 182.44,157.26 179.6,157.22 175.05,156.95 173.39,156.89 172.18,156.78 165.18,156.36 162.05,155.91 156.74,155.7 151.37,155.55 146.65,155.23 145.55,155.02 142.46,154.36 140.08,153.44 138.7,153.14 135.38,153.47 v1(134.65,153.67) ; v1(134.4,90) 134.58,89.55 135.74,89.48 136.85,89.5 137.5,89.51 138.46,89.51 139.4,89.52 146.66,89.4 147.34,89.42 UU1.1 ; 255.49,157.48 256.05,157.53 v1(256.6,157.02) ; v1(256.7,89.47) 257.44,89.74 260.38,89.75 261.17,89.42 UU4.1
  Bottom w0.2: v1(179.27,221.32) 178.37,220.66 175.24,219.82 172.41,219.29 168.45,218.62 154.09,218.38 151.89,218.36 149.78,218.56 148.39,219.67 UL1.1 146.97,221 146.23,221.02 140.13,221.15 139.1,221.13 v1(138.13,221.13) ; UD2.12 193.5,367.62 192.96,367.26 192.28,366.85 191.71,366.67 190.76,366.69 189.5,366.63 188.24,366.69 186.29,366.7 182.78,368.08 181.6,368.38 180.1,368.76 179.39,368.76 v1(178.86,368.84)
D3p6: length 7.9
  Top w0.15: UD3.6 240.89,359.97 239.96,357.62 239.61,357.2 239.14,355.88 C27.1
D3p7: length 24.5
  Top w0.15: v1(251.51,361) 251.39,360.34 251.24,359.66 250.47,356.06 R89.2 ; C27.2 245.01,356.41 244.68,358.09 244.31,359.6 244.12,360.44 UD3.7
  Bottom w0.15: v1(251.51,361) 251.33,361.64 ; 251.33,361.64 251.33,361.58 ; 251.33,361.64 250.87,362.1 250.36,362.54 250.03,362.72 249.53,363.17 248.43,364.02 247.74,364.43 247.19,364.57 246.69,364.62 245.58,364.49 244.96,364.05 244.56,363.36 UD3.7
D3p10: length 11.2
  Top w0.15: UD3.10 243.42,368.47 242.38,367.26 240.63,365.98 238.65,364.84 236.88,363.58 UD3.4
D3p14: length 6.1
  Top w0.15: C25.2 236.28,373.34 235.12,372.65 ; UD3.14 233.76,370.94 235.2,372.7
D3p15: length 10.6
  Top w0.15: UD3.15 231.22,370.77 231.27,371.15 C25.1
  Bottom w0.15: R27.1 226.84,372.92 228.79,373.1 230.04,373.25 C25.1
D4p1: length 62.5
  Bottom w0.15: v1(201.29,364.91) 203.49,364.91 203.76,364.95 204.03,364.99 207.05,365.14 208.92,364.89 211.07,364.16 213.41,363.5 219.37,363.55 222.27,364.43 226,365.1 227.69,365.48 237.62,365.84 239.06,365.81 245.37,365.85 246.95,365.92 248.79,365.42 249.91,364.47 251.48,363.28 253.5,361.89 257.09,360.84 258.33,360.63 259.3,360.31 259.7,360.18 261.23,360.06 UD4.1
D4p3: length 43.3
  Bottom w0.15: 292.32,361.92 290.07,361.85 269.03,362.03 268.01,361.7 267.01,360.85 UD4.3 ; 292.32,361.92 304.65,362.02 306.03,361.58 306.54,361.33 306.57,361.02 306.28,359.4 ; 292.32,361.92 292.38,361.93
D4p12: length 14.3
  Bottom w0.15: UD4.12 266.71,368.91 266.11,369.64 265.51,370.15 264.2,370.28 263.38,370.3 262.29,370.3 260.57,370.22 258.71,369.52 257.82,368.82 257.49,368.36 R88.1
D4p13: length 74.4
  Top w0.15: v1(289.01,399.23) 289.31,396.84 289.72,392.4 289.68,375.54 289.68,372.13 289.39,366.88 v1(289.12,364.9)
  Bottom w0.15: UB5.13 301.54,398.86 300.89,398.55 300.45,398.4 299.89,398.32 298.41,398.41 296.17,398.65 294.61,398.78 293.12,399.1 292.44,399.14 290.7,399.31 289.96,399.26 289.28,399.23 v1(289.01,399.23) ; UD4.13 264.85,366.59 265.2,366.15 265.6,365.48 266.95,364.49 268.59,364.32 272.41,364.3 278.75,364.25 286.78,365.07 287.54,365.08 288.47,365.13 288.48,365.1 288.82,365.07 289,364.9 v1(289.12,364.9)
D5p6: length 5.8
  Top w0.15: UD5.6 311,359.05 310.88,357.85 310.05,357.07 310.05,357.04 309.54,356.78 309.35,356.76 308.66,356.76 308.65,356.75 C24.2
D5p7: length 10.5
  Bottom w0.15: UD5.7 313.9,357.07 C24.1 314.52,357.17 315.68,357.01 316.61,357.03 317.52,356.95 321.18,356.95
D5p14: length 5.8
  Top w0.15: C40.1 306.53,370.26 305.4,369.82 304.85,369.43 304.42,368.95 304.04,368.5 303.74,368.19 UD5.14
D5p15: length 10.5
  Bottom w0.15: 293.73,370.32 295.27,369.99 299.12,370.1 C40.2 301.8,368.76 UD5.15
D6p8: length 31.7
  Bottom w0.15: 381.22,372.98 382.27,373.1 383.01,373.21 384.41,373.41 385.28,373.52 385.79,373.52 386.72,374.11 386.92,374.33 387.14,374.51 387.54,374.91 UC7.4 ; 381.22,372.98 381.26,372.98 ; 381.22,372.98 377.11,372.72 373.93,372.5 373.09,372.38 371.51,372.05 370.11,371.5 368.01,370.72 366.23,370.22 364.6,369.5 363.31,369.1 361.83,368.77 360.64,368.46 359.63,368.18 359.1,367.82 UD6.8
D6p9: length 41.8
  Bottom w0.15: UC7.6 392.46,376.78 392.27,377.02 391.67,377.53 390.87,377.77 389.34,377.84 388.84,377.84 388.47,377.88 386.55,377.88 ; 386.55,377.88 386.68,377.89 ; 386.55,377.88 375.53,377.53 374.57,377.29 373.78,377.11 372.78,376.83 372.03,376.54 371.36,376.23 370.72,375.91 369.27,375.21 368.58,374.82 367.82,374.33 365.5,372.81 364.96,372.42 363.61,371.55 361.99,370.95 359.65,370.46 358.45,370.02 357.48,369.35 356.64,368.5 355.98,367.74 UD6.9
D6p10: length 45.2
  Bottom w0.15: 376.9,378.78 375.51,378.7 374.52,378.7 373.87,378.65 372.44,378.46 370.04,377.58 368.61,376.92 367.84,376.34 366.13,375.41 364.75,374.68 363.45,374 361.46,373.12 360.39,372.72 358.1,371.99 356.58,371.19 355.68,370.79 354.55,369.71 354.02,368.62 UD6.10 ; 376.9,378.78 384.66,379.07 386.12,379.17 388.09,379.46 390.2,380.37 390.84,380.95 391.38,381.39 391.61,381.67 392.14,382.41 UC7.9 ; 376.9,378.78 376.91,378.79 ; 360.57,372.76 360.53,372.72
D7p5: length 193
  Top w0.15: 400.41,295.19 400.35,296.16 ; 400.35,296.16 400.38,295.46 400.64,294 400.74,293.3 400.86,292.42 401.18,291.51 401.77,289.34 402.22,288.23 402.69,286.77 402.76,286.38 402.96,285.88 403.34,284.26 403.55,281.08 403.58,279.76 403.59,269.76 403.6,268.19 403.39,265.32 402.99,263.58 402.38,262.19 401.47,260.74 401.41,260.74 400.44,258.99 399.52,257.55 399.12,256.44 398.77,254.79 398.69,248.54 398.68,247.37 398.5,208.9 398.77,204.11 398.71,201.56 v1(398.89,201.38) ; 400.35,296.16 400.22,300.47 400.22,302.35 400.19,306.29 400.2,307.02 400.2,316.92 400.17,318.58 400.45,330.39 400.45,334.65 400.71,347.8 400.81,349.4 v1(400.84,350.56) ; UD7.5 390.51,357.8 390.67,357.2 390.96,356.02 391.3,354.77 391.38,354.2 391.69,353.09 391.9,352.46 392.02,351.9 392.27,350.53 392.45,350.03 392.53,349.66 392.61,348.91 UE7.9
  Bottom w0.15: UM7.2 381.76,202.48 381.99,201.88 382.95,200.96 383.99,200.63 385.08,200.49 396.83,200.84 397.68,200.89 v1(398.89,201.38) ; 400.62,350.56 v1(400.84,350.56) 400.16,350.43 394.6,350.43 394.14,350.2 393.76,350.03 393.18,349.42 392.78,348.94 UE7.9
D7p9: length 301
  Top w0.15: v1(399.47,286.71) 399.5,286.74 399.5,288.33 399.4,288.71 399.22,289.96 399.09,292.7 398.98,293.68 399.07,313.06 399.21,320.69 399.33,351.71 399.38,352.46 399.41,355.24 399.61,357 399.85,360.22 400.08,364.05 399.98,364.65 v1(400.02,364.69) ; 196.18,284.78 v1(196.2,284.87) 196.32,282.56 196.42,278.4 UJ2.11
  Bottom w0.15: UD7.9 392.44,365.98 392.99,365.29 393.74,364.91 394.31,364.86 399.19,364.7 399.95,364.69 v1(400.02,364.69) ; v1(399.47,286.71) 399.2,286.71 398.2,285.09 397.78,284.55 395.54,282.55 393.95,282.06 393.08,282.05 382.97,282.17 382.04,282.23 379.4,282.26 378.82,282.19 378.46,282.21 376.28,282.21 374.75,282.15 359.77,282.66 358.22,282.62 356.21,282.42 353.14,282.01 351.79,281.74 347.7,281.12 346.03,280.9 341.52,280.53 339.73,280.29 337.26,279.98 333.24,281.66 330.88,281.93 329.3,281.96 325.55,281.75 324.32,281.58 322.43,281.41 321.73,281.38 321.43,281.35 319.75,281.19 318.73,281.07 313.65,280.84 312.45,280.86 309.71,280.51 308.23,280.16 305.66,279.54 304.32,279.09 302.62,278.65 300.85,278.11 298.72,277.49 297.13,277.12 295.4,276.87 294.9,276.88 294.27,276.88 292.5,277.07 291.55,277.25 290.38,277.64 289.72,277.76 287.98,278.12 286.63,278.59 284.89,278.93 281.18,279.3 276.91,279.44 270.57,279.59 270.53,279.55 268.17,279.69 266.71,279.8 262.62,280.18 261.02,280.46 258.79,280.66 256.97,280.7 252.25,281.06 251.43,281.21 248.42,281.51 247.68,281.6 246.42,281.67 243.76,281.88 241.63,281.96 239.94,281.97 237.59,281.84 236.5,282.04 232.52,282.57 230.31,283.04 229.37,283.19 223.28,283.39 214.69,283.24 212.56,283.35 210.36,283.43 209.33,283.5 205.09,284.06 203.46,284.42 199.2,284.68 198.05,284.7 197.32,284.68 v1(196.2,284.87)
DATIA: length 58.1
  Top w0.15: v1(82.18,325.25) 82.77,326.53 84.05,328.24 84.62,329.18 85.71,330.64 87.31,333.2 87.94,334.8 88.35,336.88 88.67,337.9 89.5,340.42 89.65,340.79 90.17,341.37 91.03,342.45 v1(92.5,343.39)
  Bottom w0.15: v1(82.18,325.25) J1.44 ; 97.8,355.32 96.9,354.51 96.56,354.27 95.6,353.59 95.16,352.96 94.91,352.62 94.37,352.05 93.74,350.68 93.36,348.76 93.32,346.97 93.11,344.47 v1(92.5,343.39)
  Bottom w0.2: 108.04,362.18 UD0.1 ; 108.04,362.18 106.6,362.18 R46.1 ; 108.04,362.18 107.38,362.15 106.25,362.4 104.83,360.82 100.82,357.5 100.36,357.17 99.81,356.77 v1(98.56,355.99) 98.56,355.83 97.8,355.32
DATIB: length 166.6
  Top w0.15: UB2.4 196.15,394.42 195.72,394.15 195.18,393.04 194.52,392.38 193.87,392.11 193.01,391.8 R70.1 ; v1(91.74,346.33) 90.69,345.15 90.08,344.2 89,342.69 88.51,340.85 87.31,338.42 86.48,336.48 85.62,334.64 84.55,332.49 82.19,328.94 v1(82.19,328.92)
  Top w0.25: 169.58,383.4 v2(169.58,383.35) v2(169.53,389.1) 169.58,389.05 ; v1(103.64,382.7) 103.12,381.04 101.94,377.36 100.92,373.59 100.57,372.53 100.31,371.41 99.85,369.56 99.24,366.9 v1(98.57,362.48)
  Bottom w0.15: v2(169.58,383.35) 169.18,383.35 168.89,383.15 167.6,383.15 166.27,383.1 165.06,383.22 156.29,382.72 156.17,382.84 149.76,383.04 141.14,383.85 138.86,383.85 136.59,383.82 134.32,384.06 133.09,384.18 130.96,384.22 127.18,383.96 125,383.82 123.45,383.61 119.49,383.34 117.84,383.24 115.08,383.08 114.43,382.94 114.21,382.96 109.98,382.87 108.31,382.83 106.9,382.88 106.11,382.87 104.25,382.92 v1(103.64,382.7) ; v1(82.19,328.92) 81.45,328.59 80.41,328.57 J1.42 ; v1(91.74,346.33) 92.01,347.08 92.38,349.41 92.99,351.38 93.61,352.59 94.6,353.96 95.69,355.16 96.5,356.22 97.44,357.92 98.25,361.16 v1(98.57,362.48) ; R70.1 189.33,391.68 185.13,391.57 183.24,391.54 182.72,391.4 181.15,391.11 179.94,390.75 179.13,390.62 177.93,390.31 177.9,390.34 176.33,390.08 174.64,389.62 172.31,389.36 171.23,389.15 170.92,389.1 v2(169.53,389.1)
DATIC: length 211.4
  Top w0.15: R91.1 191.99,406.29 192.96,406.29 193.73,406.26 194.61,405.63 196.15,404.46 UB2.11
  Top w0.2: 83.24,369.98 v1(83.3,370.04) 84.31,370.13 ; 88.97,370.06 88.96,370.06 v1(88.94,370.08) 88.93,370.06 87.98,370.06
  Top w0.25: 84.31,370.13 87.98,370.06
  Bottom w0.15: v1(83.3,370.04) 83.51,369.03 83.66,367.49 83.88,363.97 84.37,355.67 84.65,352.09 84.85,348.08 85.09,343.26 85.05,341.75 85,334.24 85.02,328.53 84.97,325.99 84.81,323.89 84.5,320.78 83.74,317.5 83.69,312.81 ; v1(88.94,370.08) 88.59,376.82 88.58,379.78 88.35,384.47 88.44,387.81 90.31,392.74 90.85,393.67 93.33,395.71 94.89,396.84 96.04,397.48 97.84,398.68 104.72,401.8 105.91,402.46 108.5,403.55 110.96,404.45 113.83,404.84 116.34,404.73 117.61,404.56 122.06,403.83 122.83,403.63 126.4,403.17 126.93,403.21 127.62,403.23 129.08,403.4 131.47,404.03 133.55,404.69 141.64,406.27 144.59,406.55 148.23,407.68 155.73,407.68 165.52,407.72 166.33,407.11 166.47,406.83 168.43,404.55 170.14,404.25 175.06,405.02 178.12,405.27 182.91,405.76 184.91,405.85 187.94,406.02 188.36,406.12 R91.1 ; J1.54 80.09,308.82 80.13,308.78 81.31,308.74 82.31,309.16 82.95,309.66 83.68,310.78 83.69,312.81 ; 83.69,312.81 83.69,313.74
DATOA: length 120.5
  Top w0.25: 92.38,377.6 92.33,377.65 v2(92.28,377.65) v2(85.88,377.65) 86.03,377.65
  Bottom w0.15: 108.42,373.96 107.8,374.12 105.36,374.39 104.37,374.58 101.62,374.83 99.05,375.27 96.13,376.08 94.51,376.73 93.29,377.23 v2(92.28,377.65) ; 108.42,373.96 109.63,373.96 R83.1 111.18,372.41 111.25,372.41 ; 108.42,373.96 109.26,373.74 110.08,373.74 110.08,373.65 ; 111.25,372.41 110.58,372.82 110.08,373.65 ; 111.25,372.41 111.35,372.35 112.81,372.04 114.05,372.1 115.85,372.09 116.85,371.91 117.33,371.31 117.72,370.11 UD0.11 ; v2(85.88,377.65) 85.88,376.67 85.99,375.85 86.04,375.35 86.42,373.7 86.5,366.74 86.51,366.01 86.67,363.63 87.1,357.82 87.07,352.07 87.13,352 87,351.86 87,341.23 86.99,340.43 87.02,339.2 86.88,327.43 86.92,326.77 86.93,325.86 86.72,322.31 86.38,320.7 85.83,318.04 85.7,316.32 85.44,310.32 84.88,306.72 83.72,304.88 81.76,303.52 80.81,303.26 80.07,303.1 J1.58 ; 110.08,373.65 110.17,373.65 110.28,373.54
DATOB: length 201.3
  Top w0.25: v2(92.28,373.75) 92.08,373.95 v2(84.53,373.9) 84.48,373.95
  Bottom w0.15: UB2.1 187.72,396.6 186.85,396.85 186.14,397.26 185.05,397.54 183.89,397.59 182.21,397.56 179.74,396.12 179.32,395.5 177.85,395.11 172.21,394.87 170.4,394.49 R58.1 166.97,396.29 166.01,396.99 164.32,397.53 155.02,397.7 151.06,398.36 148.49,398.66 147.69,398.83 146.27,398.91 141.21,399 139.62,398.74 136.61,398.19 134.86,397.78 131.17,397.28 130.04,397.62 120.59,397.11 107.54,396.96 105.79,396.68 105.23,396.58 104.09,396.32 103.21,395.77 102.68,395.11 102.28,394.43 101.84,392.81 101.55,390.95 101.1,388.18 100.62,387.6 100.25,386.97 98.87,385.95 95.07,384.38 92.6,383.67 91.35,383.17 90.61,382.5 90.3,381.12 90.33,379.04 91.09,376.31 91.21,374.83 v2(92.28,373.75) ; v2(84.53,373.9) 84.7,373.11 84.74,372.5 84.84,372.14 84.98,371.09 85.42,367.79 85.49,364.23 86.15,347.19 85.91,333.68 85.93,325.17 85.77,322.79 85.55,321.38 84.93,318.92 84.77,317.94 84.57,310.82 84.43,309.97 84.26,309.59 83.95,308.67 83.6,307.93 82.42,306.67 80.42,306.01 J1.56
DATOC: length 165.7
  Top w0: 81.24,366.15 81.25,366.17 v1(82.12,366.17) ; 92.28,366.17 v1(92.32,366.21)
  Top w0.2: v1(82.12,366.17) 92.28,366.17
  Bottom w0.15: UD2.1 187.03,362.07 185.03,362.96 182.35,362.95 177.87,362.18 176.74,361.96 175.27,361.77 174.05,361.58 171.41,361.17 R14.1 169.21,362.19 168.95,362.61 168.18,363.56 167.27,364.28 166.84,364.61 166.22,364.96 165.41,365.28 164.35,365.39 162.97,365.21 160.83,364.56 158.56,364.54 157.49,364.5 155.24,364.64 153.09,365.48 150.16,366.63 149.12,367.13 147.7,367.65 146.26,368.29 144.43,368.56 142.71,368.55 140.63,368.23 139.93,367.99 137.97,367.56 134.37,366.86 129.33,366.85 126.92,366.53 125.51,366.1 123.53,366.08 120.03,365.91 117.47,365.84 106.48,365.62 102.95,365.45 102.36,365.4 101.83,365.13 100.61,364.92 98.36,364.93 97.45,365.09 94.95,365.48 93.74,365.8 v1(92.32,366.21) ; v1(82.12,366.17) 82.12,366.04 82.14,365.48 82.31,364.56 82.36,362.46 83.11,355.05 83.37,350.01 84.01,339.35 83.82,328.94 83.94,327.05 83.88,325.32 ; 83.89,325.52 83.84,322.63 83.61,321.04 82.99,319.66 80.6,318.62 J1.48
DCHI: length 295.3
  Top w0.15: v1(102.46,363.68) 103.17,362.62 103.57,361.39 104.39,358.14 104.41,356.87 104.45,356.35 104.42,356.05 104.39,354.06 103.93,352.26 101.37,347.74 99.86,345.32 99.33,343.85 98.88,340.57 98.57,337.96 98.5,337.58 98.37,337.03 97.76,334.93 97.44,333.85 97,332.51 96.45,330.75 95.65,327.22 95.53,314.8 95.57,312.68 96.66,310.09 96.86,309.86 97.07,309.45 99.62,305.24 100.16,303.05 100.36,301.89 100.68,296.24 101.17,294.82 101.06,290.04 100.43,287.17 100.43,283.87 100.37,283.8 100.54,273.62 100.57,271.87 101.05,268.36 102.04,266.35 101.96,266.46 103.22,264.58 104.58,260.86 104.72,260.61 104.72,258.11 ; 104.72,258.19 104.75,255.44 104.74,255.07 104.59,248.65 104.45,244.69 104.17,241.71 104.01,240.22 103.73,237.82 103.62,237.32 103.27,234.92 102.96,232.88 102.98,232.97 102.79,231.71 102.52,229.91 101.97,226.5 101.76,225.5 101.45,223.61 101.16,222.51 100.95,221.52 100.49,218.08 100.37,216.13 100.43,215.41 100.7,212.89 100.96,211.58 101.18,209.06 101.3,206.83 101.65,203.38 101.79,200.25 101.79,198.19 101.6,197.5 101.53,196.38 100.77,194.28 100.04,192.45 99.48,191.24 98.53,189.32 97.48,187.1 96.91,185.47 96.82,184.36 96.98,182.57 97.62,180.15 97.74,179.41 97.82,178.82 97.99,177.98 98.16,176.87 98.11,173.92 97.94,172.53 97.34,169.45 96.82,166.84 96.95,163.4 96.98,163.38 97.11,161.12 97.18,160.66 97.38,158.16 97.36,157.46 97.44,156.78 97.61,152.81 97.58,150.17 97.68,148.36 97.5,147.37 96.75,146.66 95.9,146.3 95.1,146.12 92.86,145.86 92.12,145.82 90.79,145.7 90.13,145.71 89.53,145.72 89.02,145.67 88.23,145.64 87.7,145.54 86.3,145.37 86.26,145.34 85.68,145.34 84.58,145.22 83.99,145.18 77.18,145.18 J2.37
  Bottom w0.15: v1(102.46,363.68) 103.53,364.01 104.44,364.27 107.12,364.57 107.64,364.64 111.43,364.7 118.73,364.94 124.97,365.1 126.45,365.12 127.11,365.25 128.88,365.68 129.62,365.71 134.87,365.74 136.75,365.92 140.26,366.47 140.74,366.57 141.94,366.53 144.04,365.53 145.14,364.73 145.98,364.05 146.83,363.55 UD1.1 147.84,361 148.12,360.03 R9.1
DCHO: length 296.5
  Top w0.15: 102.16,241.94 102.44,244.6 102.54,245.59 102.66,246.67 102.78,248.31 102.8,248.74 102.8,254.14 102.78,254.71 102.74,255.76 102.75,259.62 102.49,260.89 101.17,264.18 100.77,265.08 100.4,265.67 100,266.54 99.24,267.94 98.9,269.31 98.86,269.5 98.53,273.02 98.64,276.63 98.53,280.79 98.53,281.38 98.56,281.96 98.65,287.25 98.72,287.68 99.07,288.93 99.22,289.3 99.37,290.88 99.37,291.66 99.24,292.93 ; 99.24,292.83 99.08,295.63 98.98,296.31 98.8,298.35 98.57,299.26 98.39,300.16 97.36,302.24 96.86,302.96 96.26,304.03 96.29,307.96 96.07,308.58 95.5,310.26 95.14,311.59 94.78,312.63 94.8,327.46 94.95,328.26 95.22,330.35 95.53,331.48 95.91,333.2 97.02,336.28 97.43,337.94 97.56,338.6 97.56,339.42 97.78,340 97.85,341.32 98.04,343.46 99.33,347.01 99.73,347.79 100.59,349.65 100.89,350.34 101.65,351.92 101.71,352.39 101.89,352.95 101.79,354.23 101.71,354.64 101.65,355.82 101.25,357.71 100.76,360.11 100.62,360.56 100.4,361.86 100.28,363.71 100.66,365.39 100.83,365.82 101.18,366.77 v1(101.16,366.79) 101.18,366.81 101.18,366.85 ; J2.33 81.82,151.55 85.97,151.68 89.74,151.86 92.01,151.95 93.35,152.18 93.65,152.28 94.64,152.56 95.38,153.26 95.69,154.8 95.51,157.77 95.32,158.6 94.89,163.53 94.8,165.52 95.27,169.05 95.69,171.03 96,172.93 96.21,174.13 96.22,177.29 95.06,182.43 94.78,184.52 94.96,185.6 95.55,187.08 95.94,188.5 96.63,189.68 97.15,190.83 97.8,192.3 98.44,193.71 98.7,194.49 98.99,195.18 99.35,195.89 99.9,198.21 99.86,199.16 99.87,199.67 99.79,201.18 99.79,202.2 99.78,202.37 99.72,203.73 99.63,204.55 99.59,205.39 99.02,211.12 98.62,213.89 98.55,214.44 98.42,215.77 98.39,216.42 98.47,217.2 98.48,218 99.55,225.07 99.96,227.4 100.37,229.61 100.8,232.45 101.23,235.26 101.5,236.96 101.64,237.67 102.05,241.27 102.18,242.13
  Bottom w0.15: v1(101.16,366.79) 102.17,366.89 102.68,366.94 103.84,367.03 106.39,367.35 107.29,367.39 108.03,367.32 108.71,367.23 110.85,366.83 115.15,366.68 116.33,366.76 119.09,366.86 122.14,366.95 125.73,367.24 127.55,367.8 131.36,367.81 132.94,367.78 134.63,368.05 135.5,368.33 137.12,368.69 140.91,370.44 143.08,371.38 144.13,372.04 145.88,372.67 R11.1 150.99,373.63 152.18,373.63 153.96,373.47 154.63,372.73 155.24,371.57 155.63,370.84 155.66,370.08 UD1.11
